# Altium PCB CL-HC-M-V2.1gerber.PcbDoc (part 2 of 16) (continued)
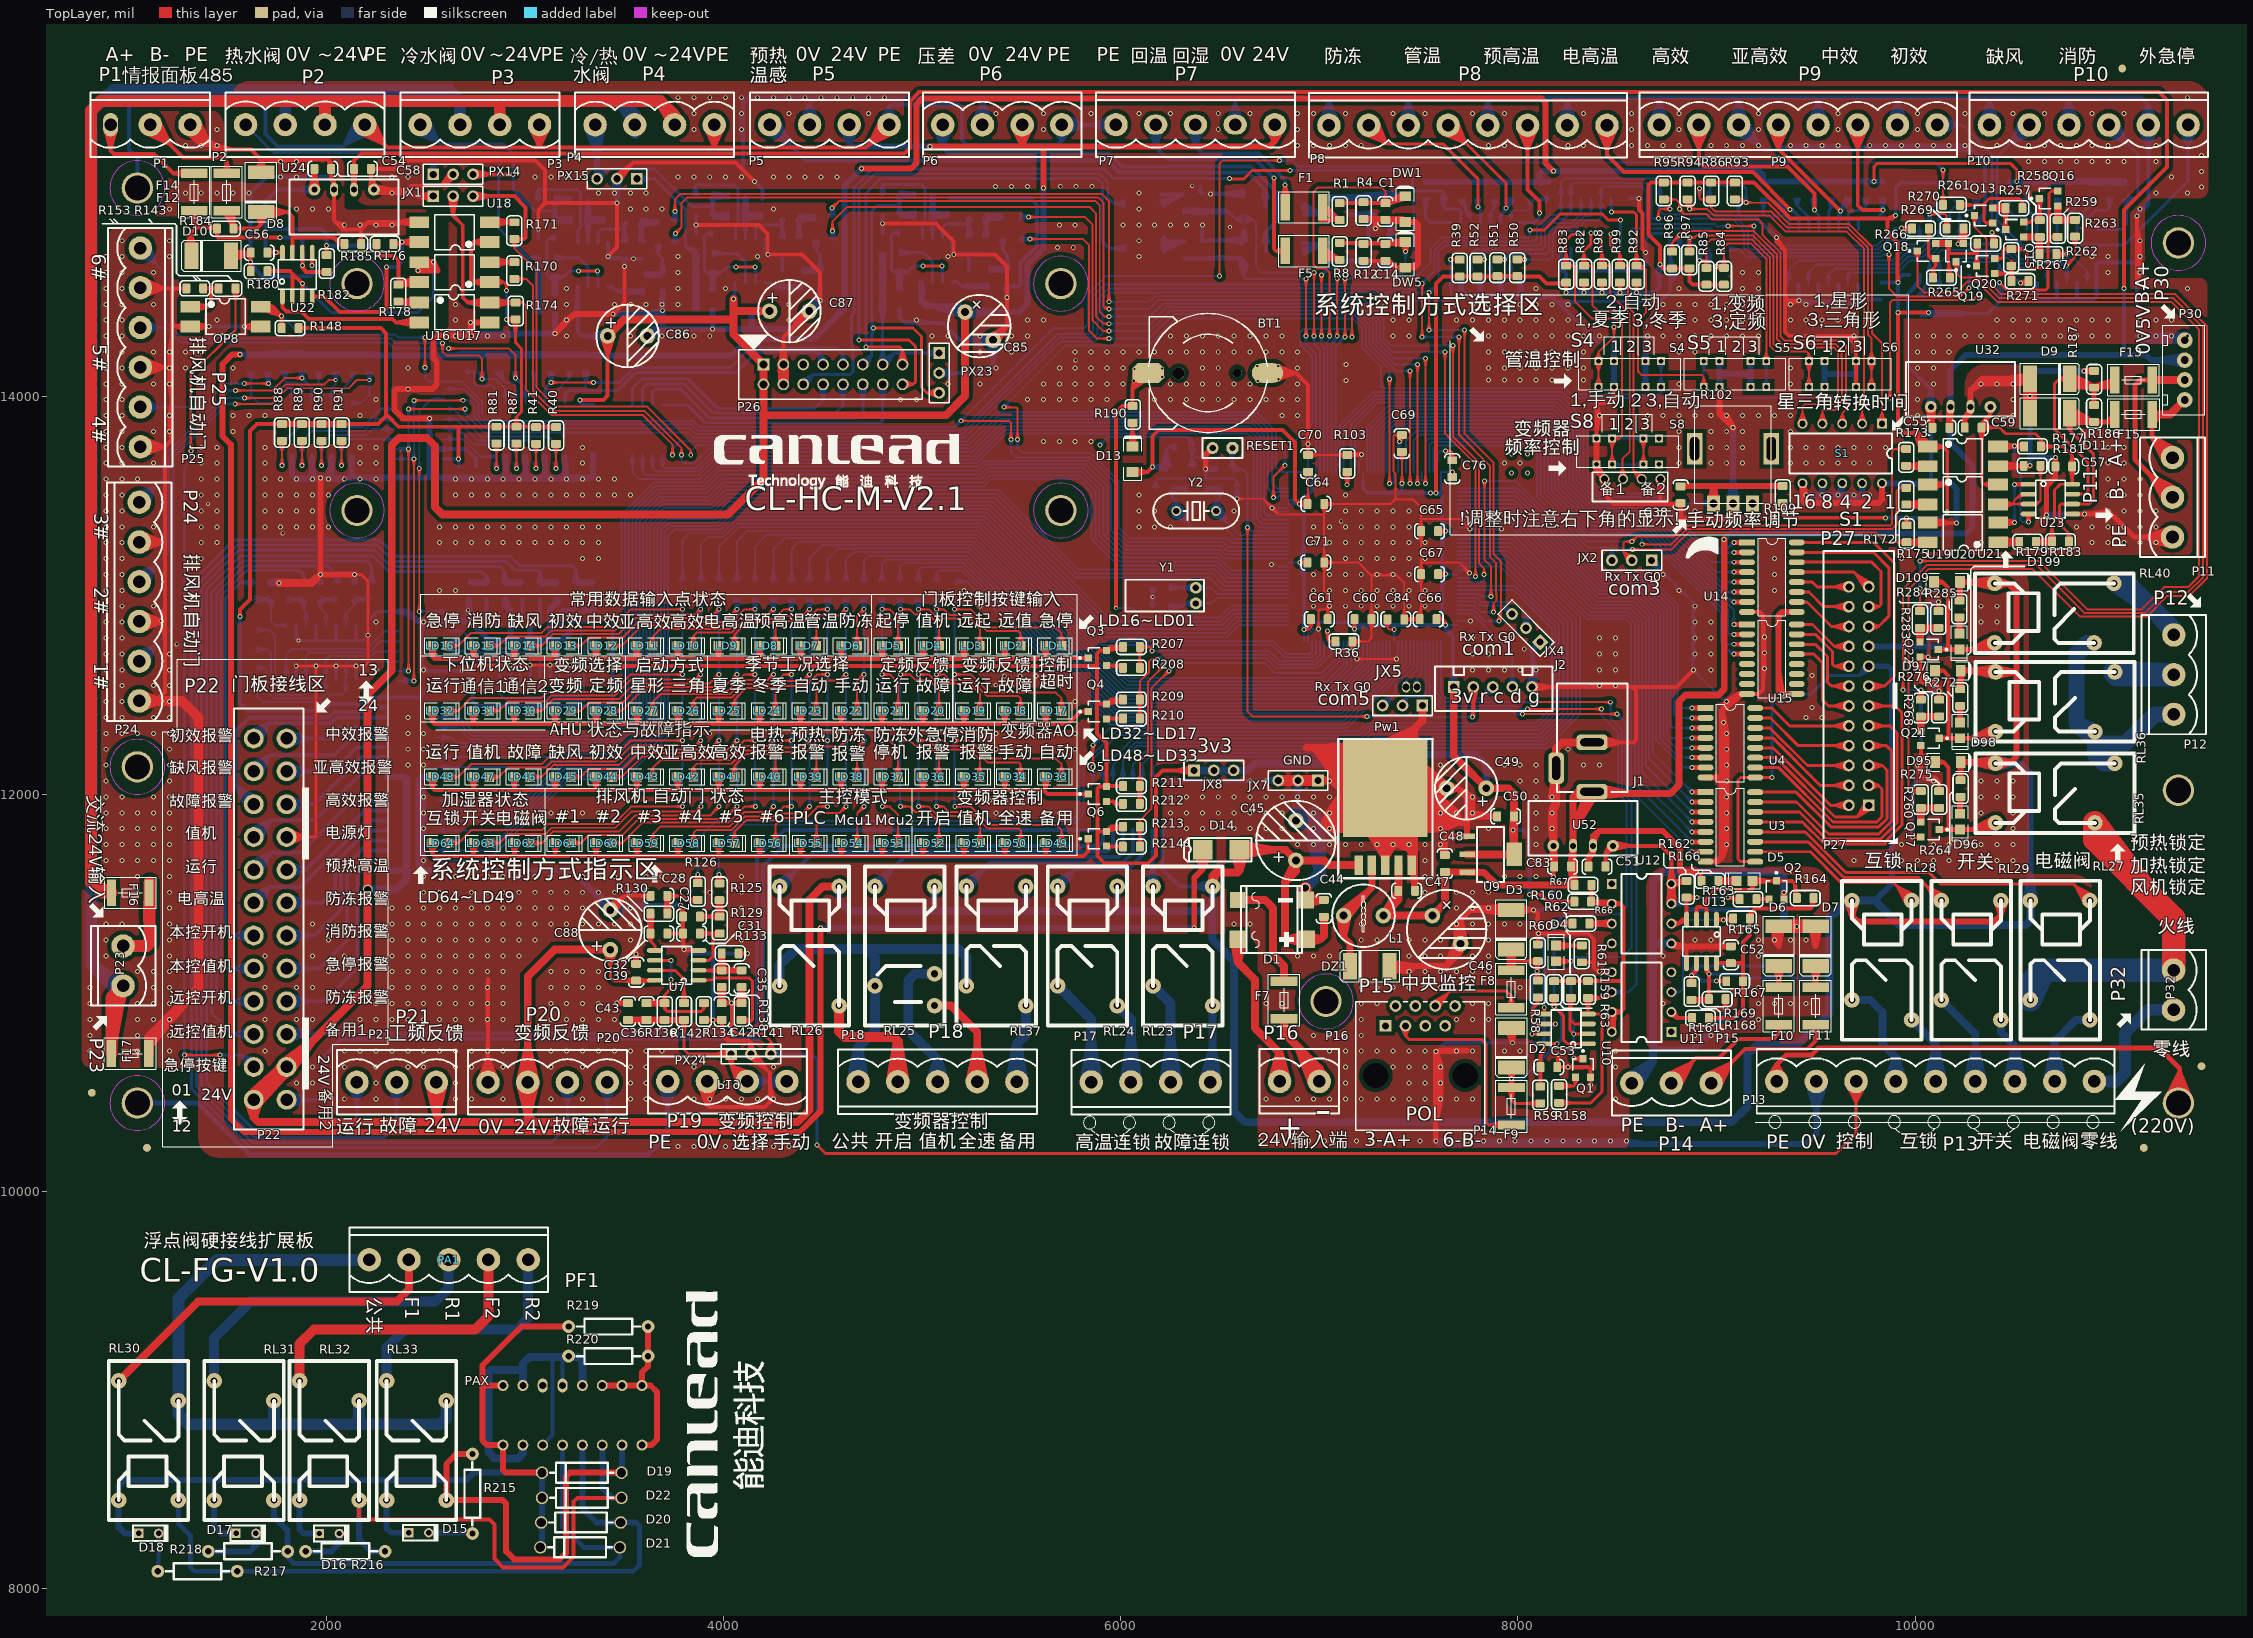
[diagram p0: TopLayer view]
## Nets (pads, with @x,y where several pads share a name; then routed paths per layer and width w, separated by ;. In a path a pad name is that pad's centre, name@x,y a point inside that pad or via, vN(x,y) a via of type N, cw(c..) or ccw(c..) an arc to the next point about the centre after c; other vN are vias at no path point) (continued)
  BottomLayer w15: v1(2906.76,14389.76) v1(2906.76,14534.69) ; 9921.12,14603.24 9931.51,14613.63 ; U31.16@9971.26,14613.27 U31.16@9971.61,14613.63 ; R43.2@10115.06,14407.08 R44.2@10180.72,14408.93 ; R43.2@10115.24,14432.03 R44.2@10181.04,14429.24 ; R43.2@10118.9,14407.42 R44.2@10181.04,14429.24 ; R43.2@10119.08,14431.64 R44.2@10180.72,14408.93 ; R43.2@10125.71,14419.06 v1(10067.41,14424.09) ; R44.2@10192.61,14406.61 R43.2@10128.82,14419.06 ; R44.2@10192.61,14431.5 R43.2@10128.82,14419.06 ; R44.2@10193.82,14419.06 R43.2@10128.82,14419.06 ; R44.2@10203.82,14419.06 10268.82,14419.06 ; R44.2@10205.02,14406.61 10268.82,14419.06 ; R44.2@10205.02,14431.5 10268.82,14419.06 ; R45.2@10413.58,14540.29 10426.02,14479.36 ; R45.2@10438.14,14544.58 v1(10423.88,14575.85) ; R45.2@10438.45,14540.29 10426.02,14479.36 ; R42.2@10040.61,14429.08 10102.93,14407.41 v1(10067.41,14424.09) ; R42.2@10040.61,14429.08 10106.52,14432.03 v1(10067.41,14424.09) ; R42.2@10040.61,14429.08 R43.2@10105.9,14419.55 ; R42.2@10040.61,14429.08 v1(10067.41,14424.09) ; R42.2@10040.61,14429.08 v1(10067.41,14424.09) ; R42.2@10040.61,14429.08 v1(10067.41,14424.09) ; R42.2@10040.9,14419.06 R43.2@10104.79,14407.1 ; R42.2@10040.9,14419.06 R43.2@10104.6,14431.98 ; R42.2@10040.9,14419.06 R43.2@10105.9,14419.55 ; R42.2@10040.89,14419.06 R43.2@10104.79,14407.1 ; R42.2@10040.89,14419.06 R43.2@10104.6,14431.98 ; R42.2@10040.89,14419.06 R43.2@10105.9,14419.55 ; R42.2@10040.9,14419.06 v1(10067.41,14424.09) ; R42.2@10040.9,14419.06 v1(10067.41,14424.09) ; R42.2@10040.9,14419.06 v1(10067.41,14424.09) ; R42.2@10040.89,14419.06 v1(10067.41,14424.09) ; R42.2@10040.89,14419.06 v1(10067.41,14424.09) ; R42.2@10040.89,14419.06 v1(10067.41,14424.09) ; R42.2@10040.97,14409.1 10106.7,14407.08 v1(10067.41,14424.09) ; R42.2@10040.97,14409.1 10102.75,14431.65 v1(10067.41,14424.09) ; R42.2@10040.97,14409.1 R43.2@10105.9,14419.55 ; R42.2@10040.97,14409.1 v1(10067.41,14424.09) ; R42.2@10040.97,14409.1 v1(10067.41,14424.09) ; R42.2@10040.97,14409.1 v1(10067.41,14424.09) ; v1(10067.41,14424.09) R42.2@10021.99,14419.06 R44.2@10198.82,14419.06 10365.71,14419.06 10426.02,14479.36 ; v1(10067.41,14424.09) R43.2@10091.99,14419.06 ; v1(10067.41,14424.09) 10028.19,14431.5 R43.2@10091.99,14419.06 ; v1(10067.41,14424.09) R43.2@10091.99,14419.06 ; v1(10067.41,14424.09) 10028.19,14406.61 R43.2@10091.99,14419.06 ; v1(10067.41,14424.09) R43.2@10091.99,14419.06 ; v1(10067.41,14424.09) 10026.99,14419.06 R43.2@10091.99,14419.06 ; v1(10067.41,14424.09) R43.2@10104.79,14407.1 ; v1(10067.41,14424.09) R43.2@10104.6,14431.98 ; v1(10067.41,14424.09) R43.2@10105.9,14419.55 ; v1(10067.41,14424.09) R43.2@10105.9,14419.55 ; v1(10067.41,14424.09) R43.2@10105.9,14419.55 ; v1(10067.41,14424.09) R43.2@10104.79,14407.1 ; v1(10067.41,14424.09) R43.2@10104.6,14431.98 ; v1(10067.41,14424.09) R43.2@10105.9,14419.55 ; R43.2@10115.9,14419.55 R44.2@10180.9,14419.06 ; R43.2@10115.9,14419.55 R44.2@10180.72,14408.93 ; R43.2@10115.9,14419.55 R44.2@10181.04,14429.24 ; R43.2@10115.9,14419.55 R44.2@10180.91,14419.06 ; R44.2@10180.9,14419.06 10117.2,14431.98 R44.2@10180.91,14419.06 ; R44.2@10180.9,14419.06 10117.01,14407.1 R44.2@10180.91,14419.06 ; R45.2@10423.88,14543.69 v1(10423.88,14575.85) ; R45.2@10423.88,14543.69 R45.2@10426.02,14541.55 ; R45.2@10423.88,14543.69 v1(10423.88,14575.85) ; v1(10423.88,14575.85) 10413.61,14543.05 v1(10423.88,14575.85) ; v1(10423.88,14575.85) R45.2@10426.02,14541.55 ; 10426.02,14479.36 R45.2@10426.02,14541.55
  BottomLayer w18: D12.2@6213.97,13653.6 6229.89,13730.98 ; D12.2@6229.89,13646.98 6229.89,13733.37 6244.89,13748.37 ; D12.2@6229.89,13651.98 6229.89,13730.98 ; D12.2@6245.8,13653.6 6229.89,13730.98 ; R189.1@6273.45,13737.55 6244.89,13748.37 ; R189.1@6273.45,13759.19 6244.89,13748.37 ; R189.1@6275.44,13748.37 6244.89,13748.37 ; v1(9850.05,13391.03) v1(9957.13,13391.03) 10131.09,13391.03 v1(10160.44,13420.38)
  BottomLayer w20: R150.2@1562.87,12734.49 R149.2@1565.89,12814.59 ; R150.2@1563.11,12741.09 1563.79,12821.25 R150.2@1565.89,12741.17 ; R151.2@1563.79,12639.75 R150.2@1565.89,12719.81 ; R149.2@1563.79,12831.25 v1(1565.89,12895.11) 1565.89,12826.25 R152.2@1565.89,12557.35 ; R151.2@1563.91,12644.27 1562.87,12724.49 R151.2@1565.89,12644.36 ; 1565.89,12472.35 R152.2@1565.89,12552.35 ; R151.2@1565.89,12642.35 1565.89,12562.35 1563.79,12629.75 R152.2@1565.89,12557.35 ; U2.16@2587.38,12570.5 2552.6,12570.5 ; U28.16@2592.69,13688.36 v1(2665.9,13688.36) ; U28.16@2593.4,13688.36 v1(2665.9,13688.36) ; U2.16@2637.38,12570.5 2674.97,12570.5 ; 3440.43,12499.39 R78.2@3440.43,12579.39 ; R77.2@3440.43,12686.07 R76.2@3440.43,12766.07 ; R76.2@3440.43,12779.42 R75.2@3440.43,12859.42 ; R75.2@3440.43,12864.42 R76.2@3440.43,12771.07 R77.2@3440.43,12677.73 ; D12.2@6228.22,13632.07 v1(6160.81,13647.15) ; D12.2@6228.29,13661.9 v1(6160.81,13647.15) ; v1(6900.74,13461.16) 6923.41,13438.49 ; 6923.41,13082.22 v1(6901.86,13166.44) 6923.41,13250.5 ; v1@6923.96,12823.86 v1(6923.41,12828.83) ; 6963.33,13565.79 6963.33,13528.05 6943.93,13508.64 6923.41,13488.12 6923.41,13438.49 ; v1@7179.87,12823.86 7180.42,12828.83 7181.66,12830.07 7181.66,12851.48 ; 7219.24,13571.01 7219.24,13539.87 7241.95,13517.16 7416.14,13517.16 7600.96,13517.16 ; 7259.82,12851.48 v1(7177.5,12831.74) ; 7487.5,13517.16 v1(7560,13516.86) ; 7562.54,12851.48 v1(7635.04,12851.48) ; 7616.6,13025.91 v1(7635.04,13107.39) 7616.6,13189.18 ; 7616.6,13242.06 v1(7635.04,13323.92) 7616.6,13405.13 ; 7616.6,13501.52 7616.6,12869.92 ; v1@7640.01,12850.93 v1(7635.04,12851.48) ; J2.1@7657.26,12541.01 7673.67,12629.22 ; J2.1@7696.06,12542.34 7673.67,12629.22 ; v3(7975.72,11820.24) 8022,11820.24 8059.26,11782.98 v3(8059.26,11495.12) ; C77.2@8212.64,14639.2 8242.76,14622.91 ; C77.2@8217.38,14648.36 8217.38,14723.36 8212.64,14649.2 U29.16@8217.38,14729.5 ; U29.16@8217.38,14748.36 8217.38,14648.3 8242.76,14622.91 ; C75.2@8698.75,14622.72 8714.38,14552.46 ; C75.2@8698.75,14632.72 v1(8714.38,14665.42) ; U30.16@8714.38,14719.42 v1(8714.38,14665.42) ; U30.16@8714.38,14744.42 v1(8714.38,14665.42) ; C74.2@9828.96,14574.03 9830.68,14575.74 v1(9912.22,14575.74) ; C74.2@9833.96,14574.03 v1(9912.22,14575.74) ; 9901.99,14985.36 v1(9900.08,14912.72) 9901.99,14914.62 9901.99,15053.36 9928.67,15080.04 R49.2@10016.61,15080.04 R48.2@10111.61,15080.04 R47.2@10211.61,15080.04 R46.2@10306.61,15080.04 ; v1(9912.22,14423.8) v1(9912.22,14575.74) ; 9931.61,15080.04 R49.2@10011.61,15080.04 ; R49.2@10026.61,15080.04 R48.2@10106.61,15080.04 ; R48.2@10116.61,15080.04 R47.2@10196.61,15080.04 ; R47.2@10221.61,15080.04 R46.2@10301.61,15080.04 ; R152.2@1565.89,12557.35 1565.89,12458.09 1604.15,12419.82 1984.23,12419.82 2019.13,12454.72 2198.15,12454.72 2230.34,12486.91 2469.02,12486.91 2552.6,12570.5 ; 2552.6,12570.5 U2.16@2612.38,12570.5 2674.97,12570.5 ; v1(2665.9,13688.36) v1@2669.55,13684.7 ; v1(2665.9,13688.36) C82.2@2669.55,13656.55 ; v1(2665.9,13688.36) 2617.69,13688.36 v1(2665.9,13688.36) ; v1(2665.9,13688.36) C82.2@2669.55,13651.55 v1@2669.55,13684.7 ; v1(2665.9,13688.36) C82.2@2669.55,13656.55 ; v1(2665.9,13688.36) C82.2@2669.55,13656.55 ; C82.2@2669.55,13656.55 v1@2669.55,13684.7 ; C82.2@2669.55,13656.55 v1@2669.55,13684.7 ; 2674.97,12570.5 2701.99,12543.47 ; 2674.97,12570.5 C78.2@2731.79,12543.47 ; 2701.99,12543.47 C78.2@2736.79,12543.47 ; 2701.99,12543.47 C78.2@2731.79,12543.47 ; 2701.99,12543.47 C78.2@2731.79,12543.47 ; 2736.79,12467.22 C78.2@2736.79,12543.47 ; 2736.79,12467.22 2760.54,12443.47 3412.99,12443.47 3440.43,12470.91 R78.2@3440.43,12584.39 ; 2736.79,12467.22 C78.2@2736.79,12543.47 ; R78.2@3440.43,12584.39 R77.2@3440.43,12677.73 ; R78.2@3440.43,12584.39 v1(3443.95,12630.92) ; R78.2@3440.43,12589.39 R77.2@3440.43,12669.39 ; R78.2@3440.43,12589.39 R77.2@3440.43,12669.39 ; R78.2@3440.43,12589.39 v1(3443.95,12630.92) ; R78.2@3440.43,12589.39 v1(3443.95,12630.92) ; R77.2@3440.43,12669.39 v1(3443.95,12630.92) ; R77.2@3440.43,12669.39 v1(3443.95,12630.92) ; R77.2@3440.43,12677.73 v1(3443.95,12630.92) ; v1(3443.95,12630.92) 3440.43,12672.73 3440.43,12592.73 v1(3443.95,12630.92) ; v1(6160.81,13647.15) 6229.72,13647.15 D12.2@6229.89,13646.98 v1(6160.81,13647.15) ; v1(6923.41,12828.83) 6959.89,12865.31 7167.82,12865.31 ; v1(6923.41,12828.83) 6923.41,13438.49 ; 7167.82,12865.31 7181.66,12851.48 ; 7167.82,12865.31 v1(7177.5,12831.74) ; v1(7177.5,12831.74) 7181.66,12851.48 ; v1(7177.5,12831.74) 7181.66,12851.48 ; v1(7177.5,12831.74) 7181.66,12851.48 ; 7181.66,12851.48 7376.12,12851.48 v1(7635.04,12851.48) ; v1(7560,13516.86) v1(7587.94,13516.4) ; v1(7560,13516.86) 7515.42,13517.16 v1(7587.94,13516.4) ; v1(7560,13516.86) 7600.96,13517.16 ; v1(7587.94,13516.4) 7612.94,13505.18 7600.96,13517.16 ; v1(7587.94,13516.4) 7600.96,13517.16 ; v1(7587.94,13516.4) 7600.96,13517.16 ; 7616.6,12869.92 v1(7635.04,12851.48) ; 7616.6,12869.92 v1(7635.04,12851.48) ; 7635.04,12829.04 v1(7635.04,12851.48) ; 7635.04,12829.04 7673.67,12790.41 ; 7635.04,12829.04 v1(7635.04,12851.48) ; 7635.04,12829.04 v1(7635.04,12851.48) ; v1(7635.04,12851.48) 7673.67,12790.41 ; 7673.67,12629.22 J2.1@7676.73,12539.55 7673.67,12542.61 7673.67,12790.41 ; 8242.76,14622.91 v1(8242.76,14524.66) v1(8332.76,14524.66) v1(8422.76,14524.66) v1(8512.76,14524.66) v1(8597.76,14524.66) 8686.59,14524.66 8714.38,14552.46 ; 8714.38,14552.46 v1(8714.38,14665.42) ; v1(9912.22,14575.74) 9912.22,14593.62 ; v1(9912.22,14575.74) 9932.22,14613.63 ; v1(9912.22,14575.74) 9912.22,14593.62 ; 9912.22,14593.62 9932.22,14613.63 ; 9932.22,14613.63 U31.16@9971.61,14613.63 9932.22,14613.63 ; R77.2@3440.43,12682.73 3440.43,12762.73 R77.2@3440.43,12682.73 ; R76.2@3440.43,12776.07 3440.43,12856.07 R76.2@3440.43,12776.07 ; R49.2@10021.61,15080.04 10101.61,15080.04 R49.2@10021.61,15080.04 ; R48.2@10126.61,15080.04 10206.61,15080.04 R48.2@10126.61,15080.04 ; R47.2@10216.61,15080.04 10296.61,15080.04 R47.2@10216.61,15080.04
  BottomLayer w40: JX8.1@6368.68,12119.38 6639.53,12119.38 6674.04,12153.9 7259.74,12153.9 7304.73,12198.88 7787.55,12198.88 7840.45,12145.98 C49.1@7840.45,12029.54
"3V- S1": R93.1 S1.1 U30.6 | length 2727.4
  TopLayer w10: R93.1@9092.15,14994.52 9131.64,14994.52 ; R93.1@9097.15,14994.52 9131.64,14994.52 ; R93.1@9100.41,14979.88 9131.64,14994.52 ; R93.1@9100.41,15009.16 9131.64,14994.52 ; v1@9140.98,14974.73 9131.64,14994.52 ; v1@9147.47,14971.56 9189.72,14977.32 ; v1@9148.07,14986.49 9189.72,14977.32 ; v1@9151.43,14985.18 9131.64,14994.52 ; S1.1@9813.09,13868.67 9832.76,13920.04 ; S1.1@9822.8,13865.95 9832.76,13920.04 ; S1.1@9832.76,13865.04 9832.76,14271.02 9782.38,14321.4 9782.38,14755.75 9668.44,14869.69 9366.48,14869.69 9258.86,14977.32 9148.85,14977.32 9146.76,14978.36 9146.53,14978.47 v1(9147.11,14979.05) ; S1.1@9842.72,13865.95 9832.76,13920.04 ; S1.1@9852.43,13868.67 9832.76,13920.04 ; 9131.64,14994.52 v1(9147.11,14979.05) ; v1(9147.11,14979.05) 9189.72,14977.32
  BottomLayer w10: U30.6@8954.54,15021.2 8964.38,15047.38 ; U30.6@8964.38,14994.42 8964.38,15047.38 ; U30.6@8964.38,15019.42 8964.38,15047.38 ; U30.6@8974.22,15021.2 8964.38,15047.38 ; v1@9139.64,14979.71 9147.11,15021.55 ; v1@9154.58,14979.71 9147.11,15021.55 ; 8964.38,15047.38 8979.92,15062.92 9135.53,15062.92 9147.11,15051.34 v1(9147.11,14979.05) 9147.11,15021.55
"3V- S2": R94.1 S1.2 U30.4 | length 3234.3
  TopLayer w10: R94.1@8838.95,14991.48 8853.64,14957.55 ; v1@8856.98,14945.59 R94.1@8853.64,14989.3 ; v1@8856.97,14945.65 R94.1@8853.64,14991.61 ; v1@8856.99,14948.09 R94.1@8868.33,14991.48 ; v1@8857.63,14943.54 R94.1@8841.49,14985.61 ; v1@8865.04,14939.33 8906.88,14946.8 v1@8865.04,14954.27 ; v1@8870.5,14951.14 R94.1@8841.49,14985.61 ; v1@8871.47,14949.26 R94.1@8853.64,14989.3 ; v1@8871.51,14949.14 R94.1@8853.64,14991.61 ; v1@8871.88,14946.77 R94.1@8868.33,14991.48 ; S1.2@9713.09,13868.67 9732.76,13920.04 ; S1.2@9722.8,13865.95 9732.76,13920.04 ; S1.2@9732.76,13865.04 9732.76,13978.74 9742.38,13988.36 9742.38,14744.84 9655.01,14832.21 9347.39,14832.21 9266.25,14913.36 8985.03,14913.36 8951.59,14946.8 v1(8864.38,14946.8) ; S1.2@9742.72,13865.95 9732.76,13920.04 ; S1.2@9752.43,13868.67 9732.76,13920.04 ; R94.1@8841.49,14985.61 v1(8864.38,14946.8) ; 8853.64,14957.55 R94.1@8853.64,14994.52 8853.64,14957.55 ; 8853.64,14957.55 v1(8864.38,14946.8) ; 8853.64,14957.55 R94.1@8868.33,14991.48 ; R94.1@8853.64,14989.3 v1(8864.38,14946.8) ; R94.1@8853.64,14991.61 v1(8864.38,14946.8) ; v1(8864.38,14946.8) R94.1@8868.33,14991.48
  BottomLayer w10: v1@8856.91,14947.47 8864.38,14989.3 v1@8871.85,14947.47 ; v1@8856.99,14948.05 U30.4@8864.38,14969.42 ; v1@8857.17,14944.74 U30.4@8854.63,14967.2 ; v1@8858.25,14951.12 U30.4@8874.14,14967.2 ; U30.4@8864.38,14994.42 v1(8864.38,14946.8) ; v1@8870.52,14951.12 U30.4@8854.63,14967.2 ; v1@8871.59,14944.74 U30.4@8874.14,14967.2 ; v1@8871.78,14948.05 U30.4@8864.38,14969.42 ; U30.4@8854.63,14967.2 v1(8864.38,14946.8) ; U30.4@8854.63,14967.2 v1(8864.38,14946.8) ; v1(8864.38,14946.8) U30.4@8874.14,14967.2 ; v1(8864.38,14946.8) U30.4@8864.38,14969.42 ; v1(8864.38,14946.8) U30.4@8864.38,14969.42
"3V- S3": R95.1 S1.3 U30.3 | length 2444.9
  TopLayer w10: R95.1@8734.38,14994.52 8794.1,14994.52 8814.38,14974.24 ; R95.1@8739.38,14994.52 8789.38,14994.52 ; R95.1@8741.63,14979.69 8789.38,14994.52 ; R95.1@8741.63,15009.35 8789.38,14994.52 ; v1@8806.95,14947.83 8814.38,14974.24 ; v1@8809.16,14941.42 8836.16,14920.47 ; v1@8809.83,14946.8 8836.16,14920.47 ; v1@8820.65,14950.92 8836.16,14920.47 ; v1@8821.81,14947.83 8814.38,14974.24 ; S1.3@9613.13,13868.86 9632.76,13917.4 ; S1.3@9622.8,13865.99 9632.76,13917.4 ; S1.3@9632.76,13865.04 9632.76,13917.4 ; S1.3@9642.71,13865.99 9632.76,13917.4 ; S1.3@9652.39,13868.86 9632.76,13917.4 ; 8814.38,14974.24 v1(8814.38,14946.8) 8836.16,14920.47 ; 8836.16,14920.47 8949.36,14920.47 8976.47,14893.36 9209.97,14893.36 9230.95,14872.37 9230.95,14817.12 9322.24,14725.83 9322.24,14304.16 9342.91,14283.49 9625.08,14283.49 9650.53,14258.04 9650.53,13935.18 9632.76,13917.4
  BottomLayer w10: U30.3@8809.83,14989.86 U30.3@8814.38,14994.42
"3V- S4": R96.1 S1.4 U30.14 | length 3031
  TopLayer w10: R96.1@8761.12,14734.79 8775.9,14775.48 ; R96.1@8790.67,14734.79 8775.9,14775.48 ; v1@8808.69,14818.69 8780.61,14780.2 ; v1@8809.79,14819.73 8834.83,14834.42 ; v1@8819.24,14808.09 8780.61,14780.2 ; v1@8820.35,14809.25 8834.83,14834.42 ; S1.4@9513.09,13868.67 9532.76,13920.04 ; S1.4@9522.8,13865.95 9532.76,13920.04 ; S1.4@9532.76,13865.04 9532.76,13929.23 9536.5,13932.97 9594.31,13932.97 9630.53,13969.19 9630.53,14197.75 9628.53,14199.75 9628.53,14235.92 9598.96,14265.49 9330.21,14265.49 9304.24,14291.47 9304.24,14718.38 9188.2,14834.42 8834.83,14834.42 ; S1.4@9542.72,13865.95 9532.76,13920.04 ; S1.4@9552.43,13868.67 9532.76,13920.04 ; 8775.9,14775.48 R96.1@8775.9,14732.19 8775.9,14775.48 ; 8775.9,14775.48 8834.83,14834.42 ; 8780.61,14780.2 v1(8814.38,14813.8) 8834.83,14834.42
  BottomLayer w10: U30.14@8804.45,14770.54 v1(8814.38,14813.8) ; v1@8806.95,14814.84 U30.14@8804.8,14772.06 ; v1@8807.25,14811.49 8823.97,14772.06 v1@8821.81,14814.84 ; U30.14@8814.38,14744.42 v1(8814.38,14813.8) ; U30.14@8814.38,14769.42 v1(8814.38,14813.8) ; v1@8821.52,14811.49 U30.14@8804.8,14772.06 ; U30.14@8824.32,14770.54 v1(8814.38,14813.8) ; U30.14@8804.8,14772.06 v1(8814.38,14813.8) ; U30.14@8814.38,14771.3 8821.85,14813.14 U30.14@8814.38,14771.3 ; U30.14@8814.38,14771.3 8806.91,14813.14 U30.14@8814.38,14771.3
"3V- S5": R97.1 S1.5 U30.13 | length 2866.1
  TopLayer w10: R97.1@8847.94,14734.44 8862.78,14782.19 ; v1@8856.89,14801.72 8862.78,14759.52 ; v1@8865.54,14794.69 8888.79,14802.1 ; v1@8865.54,14809.51 8888.79,14802.1 ; v1@8871.82,14801.16 8862.78,14759.52 ; R97.1@8877.61,14734.44 8862.78,14782.19 ; S1.5@9413.09,13868.67 9432.76,13920.04 ; S1.5@9422.8,13865.95 9432.76,13920.04 ; S1.5@9432.76,13865.04 9432.76,13952.1 9443.56,13962.9 9596.82,13962.9 9610.53,13976.61 9610.53,14228.46 9591.5,14247.49 9304.96,14247.49 9286.24,14266.21 9286.24,14710.92 9185.12,14812.04 8898.73,14812.04 8888.79,14802.1 ; S1.5@9442.72,13865.95 9432.76,13920.04 ; S1.5@9452.43,13868.67 9432.76,13920.04 ; 8862.78,14759.52 v1(8864.38,14802.1) ; 8862.78,14782.19 R97.1@8862.78,14732.19 8862.78,14800.5 v1(8864.38,14802.1) ; v1(8864.38,14802.1) 8888.79,14802.1
  BottomLayer w10: v1@8856.93,14801.24 U30.13@8864.38,14769.42 ; v1@8856.91,14801.44 8864.38,14759.6 v1@8871.85,14801.44 ; v1@8857.02,14803.53 U30.13@8854.5,14770.94 ; v1@8857.54,14799.03 U30.13@8874.27,14770.94 ; U30.13@8864.38,14744.42 v1(8864.38,14802.1) ; v1@8871.22,14799.03 U30.13@8854.5,14770.94 ; v1@8871.75,14803.53 U30.13@8874.27,14770.94 ; v1@8871.83,14801.24 U30.13@8864.38,14769.42 ; U30.13@8854.5,14770.94 v1(8864.38,14802.1) ; U30.13@8854.5,14770.94 v1(8864.38,14802.1) ; U30.13@8864.38,14769.42 v1(8864.38,14802.1) ; v1(8864.38,14802.1) U30.13@8874.27,14770.94
"3V- SETX1": pad.3 R98.2 U29.12 | length 2132.8
  TopLayer w10: R98.2@8422.76,14660.04 8458.51,14660.04 ; R98.2@8427.76,14660.04 8458.51,14660.04 ; R98.2@8431.42,14645.49 8458.51,14660.04 ; R98.2@8431.42,14674.58 8458.51,14660.04 ; pad.3@8509.41,13589.03 8525.82,13641.77 ; pad.3@8519.27,13586.93 8525.82,13641.77 ; pad.3@8525.82,13583.53 8525.82,13687.72 8562.85,13724.75 8562.85,14418.45 8464.63,14516.67 8464.63,14653.92 8458.51,14660.04 ; pad.3@8529.27,13586.65 8525.82,13641.77 ; pad.3@8539.15,13588.17 8525.82,13641.77 ; pad.3@8548.67,13591.49 8525.82,13641.77
  TopLayer w15: R98.2@8410.32,14661.24 8422.76,14725.04 ; v1(8418.06,14823.9) 8418.06,14741.63 8422.76,14736.92 R98.2@8422.76,14660.04 8422.76,14725.04 ; R98.2@8435.2,14661.24 8422.76,14725.04
  BottomLayer w15: U29.12@8417.38,14748.36 v1@8417.38,14822.38 ; U29.12@8417.38,14766.38 v1(8418.06,14823.9) ; v1@8417.38,14822.38 v1(8418.06,14823.9) ; v1@8417.38,14822.38 8417.38,14773.36 v1(8418.06,14823.9)
"3V- SETX2": pad.4 R99.2 U29.11 | length 2055.9
  TopLayer w10: R99.2@8512.76,14660.04 8549.14,14660.04 ; R99.2@8517.76,14660.04 8549.14,14660.04 ; R99.2@8521.34,14645.47 8549.14,14660.04 ; R99.2@8521.34,14674.6 8549.14,14660.04 ; pad.4@8606.86,13575.2 8582.92,13627 ; pad.4@8615.6,13580.22 8582.92,13627 ; pad.4@8629.69,13594.31 8582.92,13627 ; pad.4@8634.71,13603.05 8582.92,13627 ; 8549.14,14660.04 8554.66,14654.53 8554.66,14452.09 8582.92,14423.83 8582.92,13627 ; 8582.92,13627 pad.4@8623.27,13586.65 8582.92,13627
  TopLayer w15: R99.2@8500.33,14661.34 8512.76,14719.88 ; R99.2@8525.19,14661.34 8512.76,14719.88 ; 8464.63,14768.01 8512.76,14719.88 ; 8464.63,14768.01 8464.63,14819.63 v1(8467.38,14821.15) 8464.63,14768.01 ; 8512.76,14719.88 R99.2@8512.76,14660.04 8512.76,14719.88
  BottomLayer w15: U29.11@8467.38,14748.36 v1(8467.38,14821.15) U29.11@8467.38,14773.36
"3V- 三角形": R86.2 S6.3 U30.5 | length 3172.9
  TopLayer w10: v1@8905.94,15047.23 8913.41,15005.39 ; v1@8920.88,15047.23 8913.41,15005.39 ; R86.2@8958.15,14991.69 8972.9,14953.12 ; R86.2@8965.49,14979.61 8921.18,14994.42 ; R86.2@8965.49,15009.22 8921.18,14994.42 ; R86.2@8967.9,14994.42 8921.18,14994.42 ; R86.2@8987.65,14991.69 8972.9,14953.12 ; S6.3@9765.72,14052.25 9780.24,14099.76 S6.3@9794.76,14052.25 ; S6.3@9765.72,14177.83 9780.24,14130.31 S6.3@9794.76,14177.83 ; S6.3@9765.72,14182.17 9780.24,14229.68 S6.3@9794.76,14182.17 ; S6.3@9780.24,14050.08 S6.3@9780.24,14180 9780.24,14295.25 9762.38,14313.12 9762.38,14750.3 9661.12,14851.55 9356.34,14851.55 9274.53,14933.36 8992.66,14933.36 8972.9,14953.12 ; 8913.41,15005.39 v1(8913.41,15047.89) 8913.41,15002.19 8921.18,14994.42 ; 8921.18,14994.42 R86.2@8972.9,14994.42 ; 8972.9,14953.12 R86.2@8972.9,14994.42 ; 8972.9,14953.12 R86.2@8972.9,14994.42
  BottomLayer w10: v1@8905.94,15047.23 8913.41,15005.39 v1@8920.88,15047.23 ; v1@8906.01,15046.65 U30.5@8914.38,15019.42 ; v1@8906.04,15049.28 U30.5@8904.48,15020.83 ; v1@8906.9,15044.17 U30.5@8924.16,15021.51 ; U30.5@8914.38,14994.42 8913.41,14995.39 v1(8913.41,15047.89) ; v1@8920.16,15044.62 U30.5@8904.48,15020.83 ; v1@8920.66,15049.78 U30.5@8924.16,15021.51 ; v1@8920.87,15047.16 U30.5@8914.38,15019.42 ; S6.3@9765.72,14052.25 9780.24,14099.76 S6.3@9794.76,14052.25 ; S6.3@9765.72,14177.83 9780.24,14130.31 S6.3@9794.76,14177.83 ; S6.3@9780.24,14050.08 S6.3@9780.24,14180 ; U30.5@8904.48,15020.83 v1(8913.41,15047.89) ; U30.5@8904.48,15020.83 v1(8913.41,15047.89) ; v1(8913.41,15047.89) U30.5@8924.16,15021.51 ; v1(8913.41,15047.89) U30.5@8914.38,15019.42
"3V- 变频": R92.2 S5.1 U29.6 | length 2471
  TopLayer w10: R92.2@8597.76,14660.04 8626.05,14660.04 ; R92.2@8599.23,14645.46 8643.65,14642.43 ; R92.2@8610.93,14672.62 8643.65,14642.43 ; S5.1@8920.76,14052.25 8935.28,14099.76 S5.1@8949.8,14052.25 ; S5.1@8935.28,14050.08 8935.28,14100.95 8927.02,14109.21 8623.74,14109.21 8604.35,14128.6 8604.35,14384.42 8643.65,14423.72 8643.65,14642.43 ; R92.2@8602.76,14660.04 8626.05,14660.04 ; R92.2@8602.76,14660.04 8643.65,14642.43 ; R92.2@8602.76,14660.04 8626.05,14660.04 ; 8626.05,14660.04 8643.65,14642.43 ; 8626.05,14660.04 8607.59,14674.24 8626.05,14660.04 ; 8626.05,14660.04 8607.59,14645.84 8626.05,14660.04
  TopLayer w15: v1(8470.06,14931.01) 8582.6,14931.01 8597.76,14915.85 R92.2@8597.76,14660.04 8597.76,14725.04 ; R92.2@8585.32,14661.24 8597.76,14725.04 ; R92.2@8610.2,14661.24 8597.76,14725.04
  BottomLayer w10: S5.1@8920.76,14052.25 8935.28,14099.76 S5.1@8949.8,14052.25 ; S5.1@8920.76,14177.83 8935.28,14130.31 S5.1@8949.8,14177.83 ; S5.1@8935.28,14050.08 S5.1@8935.28,14180
  BottomLayer w15: U29.6@8467.38,14988.75 v1(8470.06,14931.01) ; U29.6@8467.38,14998.36 v1@8467.38,14933.69 ; v1@8467.38,14933.69 v1(8470.06,14931.01) ; v1@8467.38,14933.69 8467.38,14973.36 v1(8470.06,14931.01)
"3V- 定频": R84.2 S5.3 U30.11 | length 2170.7
  TopLayer w10: v1@8994.58,14648.79 R84.2@9026.54,14635.82 ; v1@8996.91,14662.79 R84.2@9031.35,14664.7 ; v1@8997.72,14647.9 R84.2@9032.16,14649.72 ; v1@8998.9,14647.93 R84.2@9035.27,14655.39 ; v1@8998.9,14662.85 R84.2@9035.27,14655.39 ; v1@9000.17,14662.61 R84.2@9032.16,14649.72 ; v1@9000.94,14648.43 R84.2@9031.35,14664.7 ; v1@9003.04,14661.07 R84.2@9026.54,14635.82 ; R84.2@9022.33,14651.97 9037.17,14699.72 ; R84.2@9037.16,14649.72 9037.17,14699.72 ; R84.2@9051.99,14651.97 9037.17,14699.72 ; S5.3@9235.72,14182.17 9250.24,14229.68 S5.3@9264.76,14182.17 ; S5.3@9250.24,14180 9250.24,14696.01 9174.28,14771.97 9055.43,14771.97 9037.17,14753.71 9037.17,14653.49 R84.2@9035.27,14655.39 ; v1(8998.14,14655.39) R84.2@9035.27,14655.39 ; v1(8998.14,14655.39) R84.2@9026.54,14635.82 ; v1(8998.14,14655.39) R84.2@9031.35,14664.7 ; v1(8998.14,14655.39) R84.2@9032.16,14649.72
  BottomLayer w10: U30.11@8954.44,14718.3 8964.38,14674.42 ; U30.11@8964.38,14719.42 8964.38,14674.42 ; U30.11@8964.38,14744.42 8964.38,14665.23 8974.22,14655.39 ; U30.11@8974.32,14718.3 8964.38,14674.42 ; v1@8996.97,14647.98 8974.22,14655.39 ; v1@8996.97,14662.8 8974.22,14655.39 ; v1(8998.14,14655.39) 8974.22,14655.39 ; S5.3@9235.72,14052.25 9250.24,14099.76 S5.3@9264.76,14052.25 ; S5.3@9235.72,14177.83 9250.24,14130.31 S5.3@9264.76,14177.83 ; S5.3@9250.24,14050.08 S5.3@9250.24,14180
"3V- 星形": R85.2 S6.1 U30.12 | length 2598.4
  TopLayer w10: v1(8914.39,14687.5) 8949.04,14687.5 ; v1@8915.2,14680.04 8949.04,14687.5 ; v1@8915.2,14694.95 8949.04,14687.5 ; R85.2@8934.33,14652.7 8949.04,14687.5 ; R85.2@8963.73,14652.7 8949.04,14687.5 ; S6.1@9450.76,14052.25 9465.28,14099.76 S6.1@9479.8,14052.25 ; S6.1@9450.76,14177.83 9465.28,14130.31 S6.1@9479.8,14177.83 ; S6.1@9450.9,14183 9465.28,14215.92 ; S6.1@9465.28,14040.88 S6.1@9465.28,14050.08 S6.1@9465.28,14180 9465.28,14215.92 ; S6.1@9479.65,14183 9465.28,14215.92 ; 8949.04,14687.5 8949.04,14769.95 8971.06,14791.97 9179.74,14791.97 9268.24,14703.47 9268.24,14257.01 9295.75,14229.49 9451.7,14229.49 9465.28,14215.92 ; 8949.04,14687.5 R85.2@8949.03,14649.72 8949.04,14687.5
  BottomLayer w10: v1@8906.92,14688.16 8914.39,14730 v1@8921.86,14688.16 ; v1@8906.94,14688.38 U30.12@8914.38,14719.42 ; v1@8907.04,14686.03 U30.12@8904.51,14717.85 ; v1@8907.58,14690.64 U30.12@8924.26,14717.85 ; U30.12@8914.39,14744.41 v1(8914.39,14687.5) ; v1@8921.2,14690.64 U30.12@8904.51,14717.85 ; v1@8921.75,14686.03 U30.12@8924.26,14717.85 ; v1@8921.84,14688.38 U30.12@8914.38,14719.42 ; S6.1@9450.76,14052.25 9465.28,14099.76 S6.1@9479.8,14052.25 ; S6.1@9450.76,14177.83 9465.28,14130.31 S6.1@9479.8,14177.83 ; S6.1@9465.28,14050.08 S6.1@9465.28,14180 ; U30.12@8904.51,14717.85 v1(8914.39,14687.5) ; U30.12@8904.51,14717.85 v1(8914.39,14687.5) ; v1(8914.39,14687.5) U30.12@8924.26,14717.85 ; v1(8914.39,14687.5) U30.12@8914.38,14719.42
3V-LAMP-EX1: U27.1 U33.117 | length 3007.1
  TopLayer w10: v1@5853.48,12136.68 5860.95,12178.51 v1@5868.42,12136.68 ; v1@5853.48,12245.54 5860.95,12203.7 ; v1(5860.95,12136.01) v1(5860.95,12246.2) 5860.95,12203.7 ; v1@5868.42,12245.54 5860.95,12203.7
  BottomLayer w10: v1@5853.53,12137.12 U27.1@5851.02,12095.01 ; v1@5853.85,12133.61 U27.1@5870.88,12095.01 ; v1@5856.08,12251.91 5894.66,12279.92 v1@5866.65,12241.33 ; U27.1@5860.95,12068.83 v1(5860.95,12136.01) ; v1(5860.95,12246.2) 5948.33,12333.58 7139.51,12333.58 7455.46,12649.53 ; v1@5868.05,12133.61 U27.1@5851.02,12095.01 ; v1@5868.37,12137.12 U27.1@5870.88,12095.01 ; 7444.83,12638.9 7455.84,12649.91 7455.84,12767.86 U33.117@7455.46,12768.25 ; U33.117@7455.46,12738 7455.84,12703.25 ; U27.1@5851.02,12095.01 v1(5860.95,12136.01) ; U27.1@5851.02,12095.01 v1(5860.95,12136.01) ; U27.1@5860.95,12093.51 5868.42,12135.35 U27.1@5860.95,12093.83 ; U27.1@5860.95,12093.51 5853.48,12135.35 U27.1@5860.95,12093.83 ; U27.1@5860.95,12093.51 v1(5860.95,12136.01) ; U27.1@5860.95,12093.83 v1(5860.95,12136.01) ; U27.1@5860.95,12093.83 v1(5860.95,12136.01) ; v1(5860.95,12136.01) U27.1@5870.88,12095.01
3V-LAMP-EX2: U27.2 U33.93 | length 3681.9
  BottomLayer w10: U27.2@5901.05,12095.23 5910.95,12129.54 ; U27.2@5910.95,12068.83 5910.95,12129.54 ; U27.2@5910.95,12093.83 5910.95,12129.54 ; U27.2@5920.85,12095.23 5910.95,12129.54 ; U33.93@7695.61,13146.2 7910.04,13146.2 8207.4,12848.84 8207.4,12422.16 8107.13,12321.88 7253.78,12321.88 7210.86,12278.97 6060.37,12278.97 5910.95,12129.54 ; U33.93@7725.86,13146.2 7760.61,13146.2
3V-中效: OP2.10 R46.1 U31.6 | length 1320.5
  BottomLayer w10: OP2.10@9652.98,14597.14 9662.76,14618.85 ; OP2.10@9662.76,14565.04 9662.76,14618.85 ; OP2.10@9662.76,14595.04 9662.76,14618.85 ; OP2.10@9672.54,14597.14 9662.76,14618.85 ; U31.6@10211.7,14889.96 10221.61,14926.23 ; U31.6@10211.78,14836.81 10221.61,14811.14 ; U31.6@10221.61,14838.63 10221.61,14811.14 ; U31.6@10221.61,14888.63 10221.61,14926.23 ; U31.6@10231.45,14836.81 10221.61,14811.14 ; U31.6@10231.52,14889.96 10221.61,14926.23 ; R46.1@10291.92,14992 10306.61,14957.97 ; R46.1@10321.29,14992 10306.61,14957.97 ; 9662.76,14618.85 9669.65,14625.74 9911.8,14625.74 9972.87,14686.81 10052.07,14686.81 10163.45,14798.18 10208.66,14798.18 10221.61,14811.14 ; 10221.61,14811.14 U31.6@10221.61,14863.63 10221.61,14926.23 ; 10221.61,14926.23 10234.08,14938.69 10287.33,14938.69 10306.61,14957.97 ; 10306.61,14957.97 R46.1@10306.61,14995.04 10306.61,14957.97
3V-中效报警灯: U8.3 U33.18 | length 5966.2
  BottomLayer w10: U8.3@2557.38,12336.08 2666.88,12336.08 2728.38,12274.58 3421.22,12274.58 3523.28,12376.64 3523.28,13392.64 3664.07,13533.43 3908.83,13533.43 3984.94,13609.55 5294.68,13609.55 5326.46,13641.32 5815.09,13641.32 5912.92,13543.49 5912.92,13309.65 6011.57,13211 6496.71,13211 6522.14,13185.57 U33.18@6841.28,13185.57 ; U8.3@2582.38,12336.08 2627.38,12336.08 ; U8.3@2583.49,12326.15 2627.38,12336.08 ; U8.3@2583.49,12346.02 2627.38,12336.08 ; 6776.28,13185.57 U33.18@6811.03,13185.57